# Altium PCB 202101904XB(公开).PcbDoc (part 5 of 6) (continued)
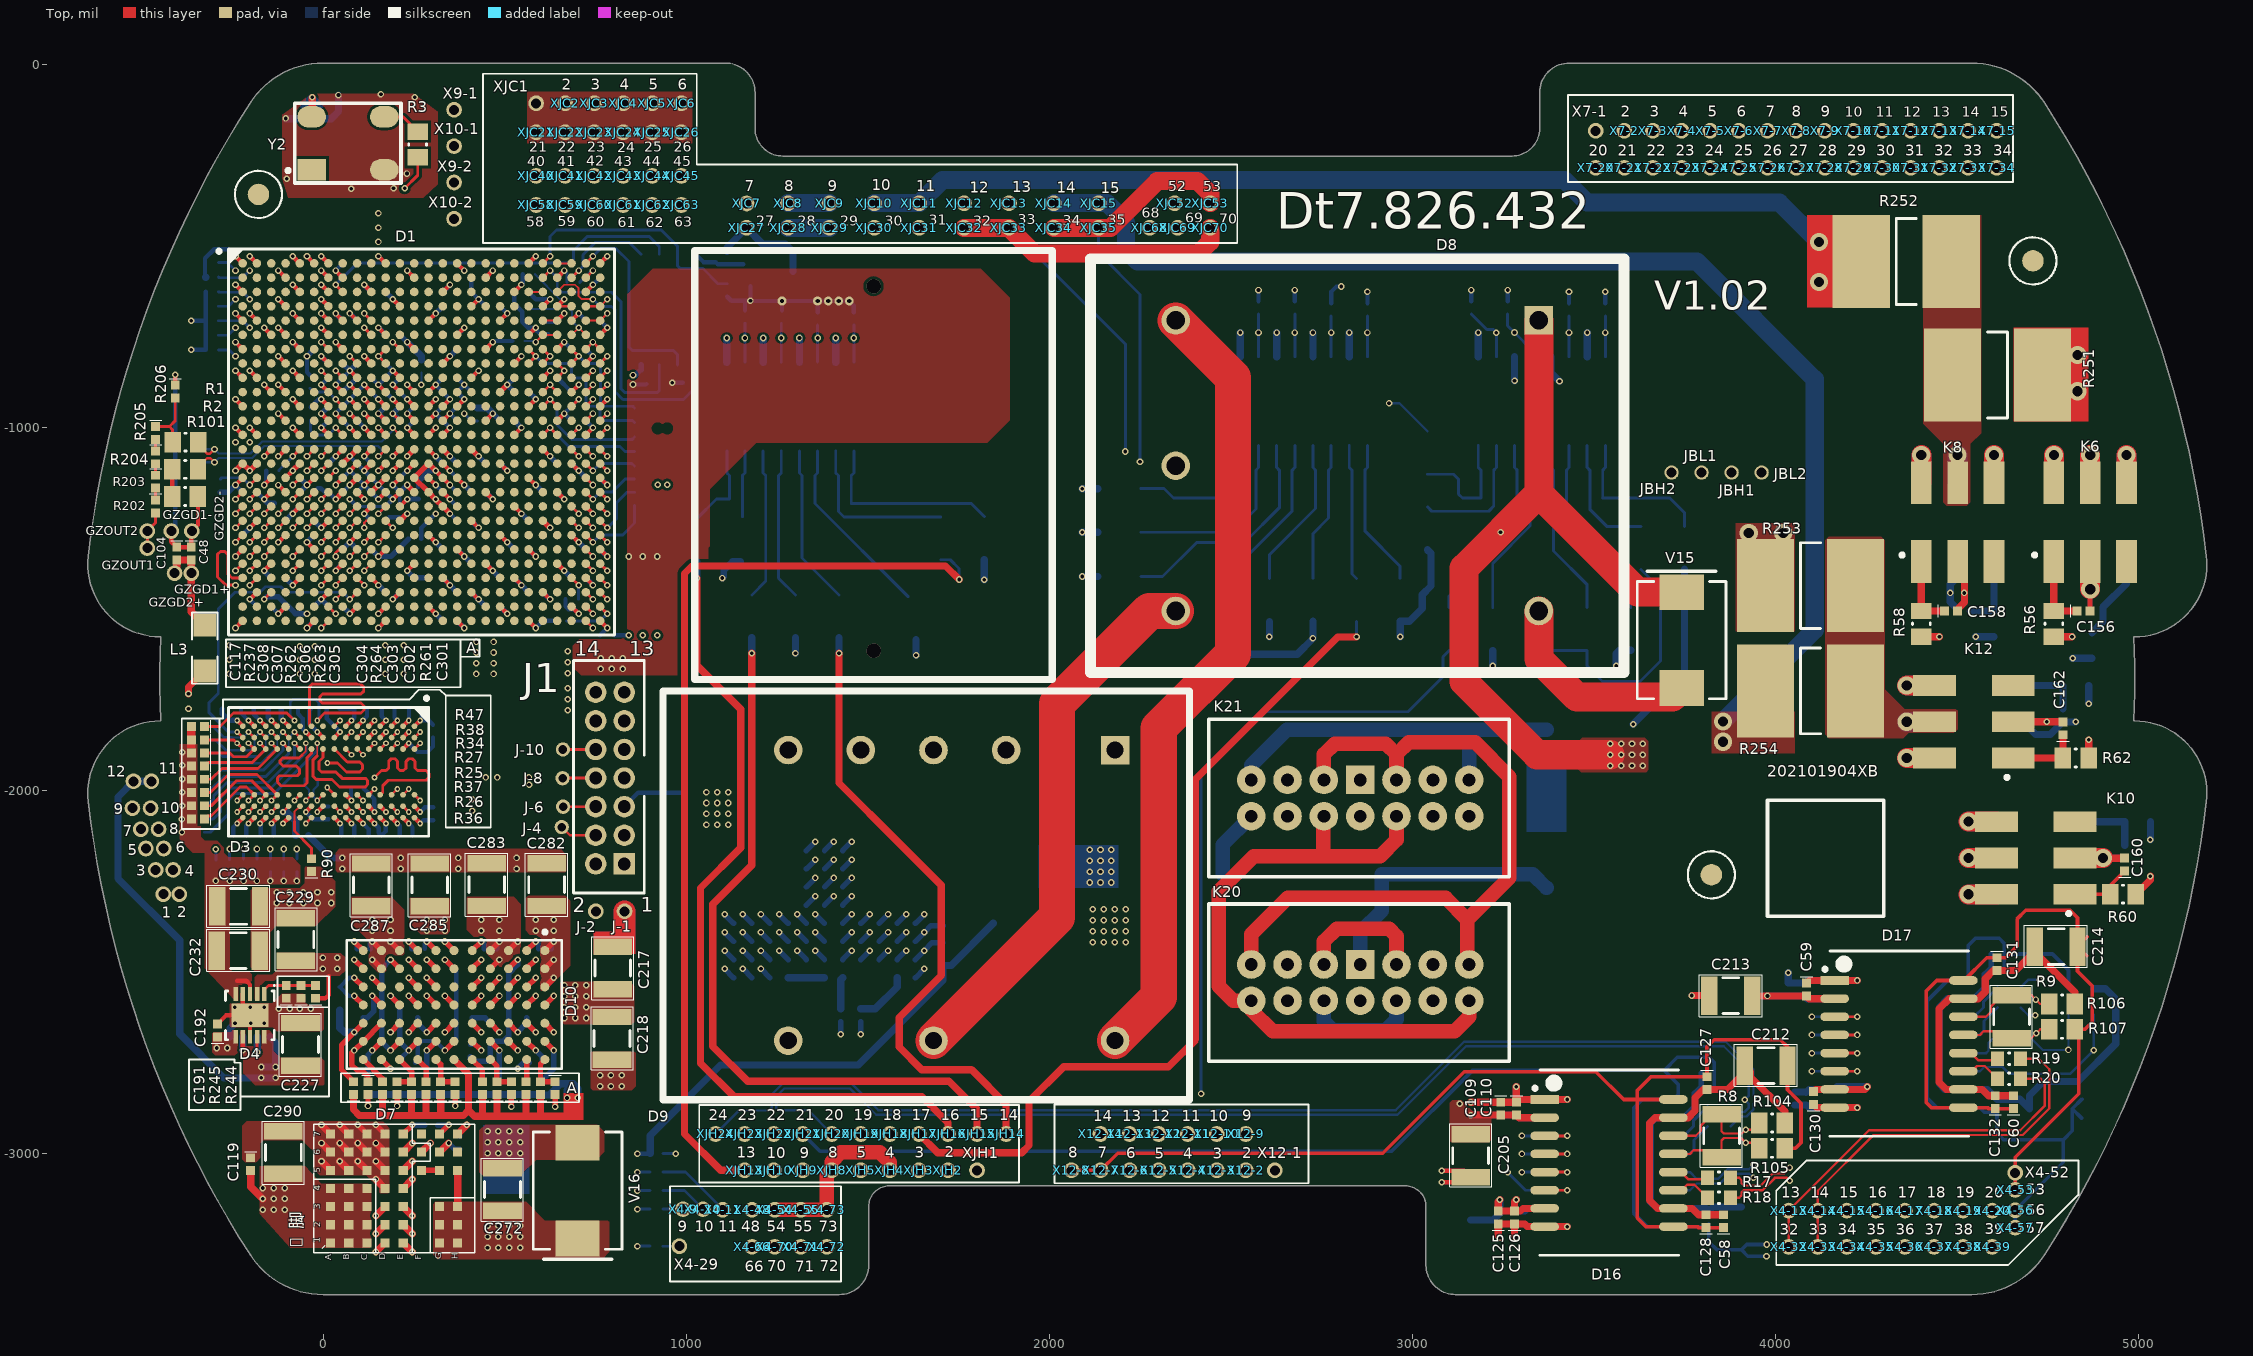
[diagram p0: Top view]
## Nets (pads, with @x,y where several pads share a name; then routed paths per layer and width w, separated by ;. In a path a pad name is that pad's centre, name@x,y a point inside that pad or via, vN(x,y) a via of type N, cw(c..) or ccw(c..) an arc to the next point about the centre after c; other vN are vias at no path point) (continued)
NetC308_2: C308.2 D10.L7 | length 83.1
  Top w15: D10.L7@110.58,-2741.14 163.64,-2794.2 C308.2@163.64,-2802.28
NetD1_B25: D1.B25 R225.1 | length 77.7
  Top w8: D1.B25@723.34,-588.38 v1(743.02,-568.7)
  Bottom w8: R225.1@706.61,-601.17 739.08,-568.7 v1(743.02,-568.7)
NetD1_G7: D1.G7 R240.1 | length 416
  Top w8: v1(-5,-765.55) D1.G7@14.68,-785.23
  sig_05 w6: v1(-201.85,-647.44) -143.67,-705.62 -143.67,-758.42 -115.67,-786.42 -25.87,-786.42 v1(-5,-765.55)
  Bottom w8: R240.1@-287.54,-626.96 -286.08,-628.42 -220.87,-628.42 v1(-201.85,-647.44)
NetD1_J7: D1.J7 R239.1 | length 451.2
  Top w8: v1(-5,-844.29) D1.J7@14.68,-863.97
  sig_05 w6: v1(-241.22,-647.44) -220.67,-667.99 -220.67,-699.42 -214.67,-705.42 -195.67,-705.42 -181.67,-719.42 -181.67,-741.42 -161.17,-761.92 -161.17,-795.92 -132.67,-824.42 -24.87,-824.42 v1(-5,-844.29)
  Bottom w8: R239.1@-287.57,-666.96 -260.74,-666.96 v1(-241.22,-647.44)
NetD1_P5: D1.P5 R201.2 | length 82.9
  Top w8: v1(-83.74,-1080.5) D1.P5@-64.06,-1060.83
  Bottom w8: R201.2@-121.54,-1119.96 -121.54,-1118.3 v1(-83.74,-1080.5)
NetD1_P6: D1.P6 R241.1 | length 518.7
  Top w8: v1(-44.37,-1080.5) D1.P6@-24.69,-1060.83
  sig_05 w6: v1(-241.22,-726.18) -220.67,-746.73 -220.67,-784.42 -143.67,-861.42 -143.67,-913.42 -102.67,-954.42 -102.67,-1022.2 v1(-44.37,-1080.5)
  Bottom w8: R241.1@-287.63,-746.96 -262,-746.96 v1(-241.22,-726.18)
NetD1_P7: D1.P7 R242.1 | length 573.2
  Top w8: v1(-5,-1080.5) D1.P7@14.68,-1060.83
  sig_05 w6: v1(-201.85,-726.18) -201.85,-754.24 -183.67,-772.42 -183.67,-800.42 -118.67,-865.42 -91.67,-865.42 -63.08,-894.01 -63.08,-1022.42 v1(-5,-1080.5)
  Bottom w8: R242.1@-287.6,-706.96 -221.07,-706.96 v1(-201.85,-726.18)
NetD1_T2: D1.T2 R200.2 | length 119
  Top w8: v1(-201.85,-1159.24) D1.T2@-182.17,-1139.57
  Bottom w8: R200.2@-283.13,-1143.23 -279.19,-1139.29 -221.8,-1139.29 v1(-201.85,-1159.24)
NetD1_T5: D1.T5 R238.1 | length 501.3
  Top w8: v1(-83.74,-1159.24) D1.T5@-64.06,-1139.57
  sig_05 w6: v1(-241.22,-804.92) -221.67,-824.47 -221.67,-865.42 -141.67,-945.42 -141.67,-1005.62 -103.87,-1043.42 -103.87,-1126.63 -83.74,-1146.76 v1(-83.74,-1159.24)
  Bottom w8: R238.1@-287.66,-786.96 -259.18,-786.96 v1(-241.22,-804.92)
NetD1_T7: D1.T7 R54.2 | length 61.1
  Top w8: D1.T7@14.68,-1139.57 v1(34.36,-1119.89)
  Bottom w6: R54.2@10.64,-1143 11.24,-1143 v1(34.36,-1119.89)
NetD1_U4: D1.U4 R52.2 | length 59
  Top w12: v1(-123.11,-1159.26) D1.U4@-103.43,-1178.94
  Bottom w8: v1(-123.11,-1159.26) -108.83,-1173.54 R52.2@-108.83,-1184.47
NetD1_U9: D1.U9 R51.2 | length 344
  Top w12: D1.U9@93.42,-1178.94 v1(113.1,-1198.62)
  sig_05 w8: v1(113.1,-1198.62) 132.71,-1179 250.96,-1179 v1(309.95,-1237.98)
  Bottom w12: R51.2@270.36,-1308 270.36,-1277.57 v1(309.95,-1237.98) ; v1@311.64,-1236.3 v1@311.64,-1236
NetD1_V12: D1.V12 R53.2 | length 59.6
  Top w12: D1.V12@211.53,-1218.31 v1(231.22,-1198.61)
  Bottom w15: v1(231.22,-1198.61) 232.11,-1197.72 R53.2@262.64,-1197.72
NetD3_L8: D3.L8 R90.2 | length 170.7
  Top w5: -79.14,-2084.41 -79.14,-2059.37 D3.L8@-63.39,-2043.62
  Top w8: -79.14,-2084.41 -79.14,-2111.95 -32.39,-2158.7 R90.2@-32.39,-2188.45
NetD4_9: D4.9 R243.1 | length 85.4
  Top w8: v1(-181.66,-2721.42) D4.9@-181.65,-2678.74
  Bottom w20: v1(-181.66,-2721.42) R243.1@-181.65,-2678.74
NetD6_1: D6.1 D6.2 D6.5 | length 100
  Bottom w20: D6.1@1280.58,-2516.14 D6.2@1330.58,-2516.14 D6.5@1380.58,-2516.14
NetD6_6: D6.6 R268.2 | length 87.1
  Bottom w20: R268.2@1425.58,-2601.13 1425.58,-2521.14 D6.6@1430.58,-2516.14
NetD6_9: D6.9 R267.1 | length 149.9
  Bottom w20: R267.1@1480.58,-2601.13 1520.58,-2601.14 1580.58,-2541.14 D6.9@1580.58,-2516.14
NetD6_10: D6.10 R269.1 | length 95.1
  Bottom w15: D6.10@1630.58,-2416.14 v1(1655.58,-2391.14) 1674.01,-2372.72 R269.1@1707.64,-2372.72
NetD7_1: D7.1 D7.2 | length 50
  Top w15: D7.2@270.58,-3046.14 D7.1@320.58,-3046.14
NetD7_8: D7.8 R266.1 | length 74.2
  Top w20: D7.8@370.58,-2946.14 v1(395.58,-2921.14)
  Bottom w15: R266.1@376.58,-2952.13 376.58,-2940.14 v1(395.58,-2921.14)
NetD7_10: D7.10 R265.1 | length 65.5
  Top w15: D7.10@320.58,-2946.14 v1(345.58,-2921.14)
  Bottom w15: R265.1@315.62,-2921.67 345.05,-2921.67 v1(345.58,-2921.14)
NetD9_2: D9.2 V1.1 V2.1
NetD10_B6: D10.B6 D10.C4 R234.1 | length 282.8
  Top w15: D10.C4@510.58,-2591.14 v1(535.58,-2566.14) ; D10.B6@560.58,-2691.14 v1(585.58,-2716.14)
  sig_03 w15: v1(535.58,-2566.14) 560.64,-2591.21 560.64,-2691.21 v1(585.58,-2716.14)
  Bottom w15: v1(585.58,-2716.14) 603.64,-2734.21 R234.1@603.64,-2750
NetD10_E6: D10.E6 D10.F4 R235.1 | length 299.4
  Top w15: v1(335.58,-2566.14) D10.F4@360.58,-2591.14 ; D10.E6@410.58,-2691.14 v1(435.58,-2716.14)
  sig_03 w15: v1(335.58,-2566.14) 385.64,-2616.21 385.64,-2666.21 v1(435.58,-2716.14)
  Bottom w12: R235.1@404.9,-2700.3 419.73,-2700.3 v1(435.58,-2716.14)
NetD10_H6: D10.H6 D10.J4 R236.1 | length 282.5
  Top w15: v1(185.58,-2566.14) D10.J4@210.58,-2591.14 ; v1(235.58,-2716.14) D10.H6@260.58,-2691.14
  Bottom w12: R236.1@218.21,-2750 218.21,-2733.51 v1(235.58,-2716.14)
  Bottom w15: v1(185.58,-2566.14) 210.64,-2591.21 210.64,-2691.21 v1(235.58,-2716.14)
NetD10_K5: D10.K5 D10.L6 R237.1 | length 221.3
  Top w15: R237.1@123.64,-2802.28 123.64,-2788 107.64,-2772 94.64,-2772 78.64,-2756 78.64,-2723.08 v1(85.58,-2716.14) D10.L6@110.58,-2691.14 D10.K5@160.58,-2641.14
NetD14_11: D14.11 R14.1 | length 137
  Bottom w8: D14.11@3717.75,-2951.14 3747.12,-2951.14 3772.87,-2925.39 3772.87,-2909.64 R14.1@3812.13,-2870.39
NetD14_12: D14.12 R13.1 | length 141.4
  Bottom w8: D14.12@3717.75,-3001.14 3763.12,-3001.14 3774.87,-2989.39 3774.87,-2962.64 R13.1@3812.13,-2925.39
NetD15_11: D15.11 R16.1 | length 137
  Bottom w8: D15.11@4516.32,-2623.45 4545.69,-2623.45 4571.44,-2597.7 4571.44,-2581.95 R16.1@4610.7,-2542.7
NetD15_12: D15.12 R15.1 | length 141.4
  Bottom w8: D15.12@4516.32,-2673.45 4561.69,-2673.45 4573.44,-2661.7 4573.44,-2634.95 R15.1@4610.7,-2597.7
NetD16_11: D16.11 R18.1 | length 115.5
  Top w6.5: D16.11@3717.75,-3101.14 3740.73,-3101.14 3755.87,-3086 3776.23,-3086 R18.1@3812.13,-3121.88
NetD16_12: D16.12 R17.1 | length 104.4
  Top w6.5: D16.12@3717.75,-3051.14 3739.79,-3051.14 3759.76,-3071.11 3807.89,-3071.11 R17.1@3812.13,-3066.88
NetD17_11: D17.11 R20.1 | length 114.9
  Top w6.5: D17.11@4516.32,-2773.45 4539.3,-2773.45 4553.75,-2759 4575.49,-2759 R20.1@4610.7,-2794.19
NetD17_12: D17.12 R19.1 | length 104.4
  Top w6.5: D17.12@4516.32,-2723.45 4538.36,-2723.45 4558.33,-2743.42 4606.46,-2743.42 R19.1@4610.7,-2739.19
NetGZOUT1_1: GZOUT1.1 GZOUT2.1 R202.2 | length 106
  Top w8: GZOUT2.1@-484,-1333 GZOUT1.1@-484,-1286 -461.28,-1263.28 R202.2@-461.28,-1236.43
NetK5_5: K5.5 K6.5 K7.4 K7.6 K8.4 K8.6 | length 460.4
  Top w55: K8.6@4400.58,-1152.87 v3(4400.58,-1076.14) ; K8.4@4600.58,-1152.87 v3(4600.58,-1076.14) ; K6.5@4865.58,-1152.87 v3(4865.58,-1076.14)
  Bottom w55: K7.4@4400.58,-1152.87 v3(4400.58,-1076.14) ; K7.6@4600.58,-1152.87 v3(4600.58,-1076.14) ; K5.5@4865.58,-1152.87 v3(4865.58,-1076.14)
NetK9_5: K9.5 K10.5 K11.4 K11.6 K12.4 K12.6 | length 460.4
  Top w55: v3(4360.58,-1911.14) K12.6@4437.32,-1911.14 ; v3(4360.58,-1711.14) K12.4@4437.32,-1711.14 ; v3(4530.58,-2186.14) K10.5@4607.32,-2186.14
  Bottom w55: v3(4360.58,-1911.14) K11.4@4437.32,-1911.14 ; v3(4360.58,-1711.14) K11.6@4437.32,-1711.14 ; v3(4530.58,-2186.14) K9.5@4607.32,-2186.14
NetK20_11: K20.11 K20.21 K21.10 K21.20 | length 2039.7
  Top w40: K20.21@2555.58,-2479.37 2555.58,-2396.14 2655.58,-2296.14 3090.58,-2296.14 3150.58,-2356.14 ; K21.10@2755.58,-1971.14 2755.58,-1901.14 2785.58,-1871.14 2925.58,-1871.14 2955.58,-1901.14 ; K21.20@2955.58,-1971.14 2955.58,-1901.14 ; K20.11@3155.58,-2479.37 3150.58,-2474.37 3150.58,-2356.14 ; 2955.58,-1901.14 2988.72,-1868 3172,-1868 3266,-1962 3266,-2240.72 3150.58,-2356.14
NetK20_31: K20.31 K20.41 K21.30 K21.40 | length 1802.7
  Top w40: K21.40@2755.58,-2071.14 2754.33,-2072.39 2754.33,-2181.14 ; K21.30@2955.58,-2071.14 2955.58,-2136.14 2910.58,-2181.14 2754.33,-2181.14 ; K20.41@3155.58,-2579.37 3155.58,-2623.42 3115.58,-2663.42 2614.34,-2663.42 2555.57,-2604.65 2555.57,-2579.37 2505.58,-2579.37 2465.58,-2539.37 2465.58,-2277.67 2562.12,-2181.14 2754.33,-2181.14
NetR1_1: R1.1 R205.1 R206.2 | length 169.6
  Top w8: R205.1@-461,-998.28 -423.14,-998.28 ; R1.1@-414.42,-1041.14 -414.42,-1007 -423.14,-998.28 ; R206.2@-407,-919.72 -407,-982.14 -423.14,-998.28
NetR2_1: R2.1 R101.1 | length 74.7
  Top w12: R101.1@-415.29,-1190.86 R2.1@-415.29,-1116.14
NetR3_1: R3.1 Y2.3 | length 108.8
  Top w8: Y2.3@168.58,-145.47 219.91,-145.47 R3.1@260.58,-186.14
NetR5_1: R5.1 V5.1
NetR6_1: R6.1 V6.1
NetR138_2: R138.2 XJH3.1 | length 723.6
  sig_03 w8: v1(971.02,-3000.17) 1594.62,-3000.17 XJH3.1@1640.58,-3046.14
  Bottom w8: R138.2@936.02,-3000.17 v1(971.02,-3000.17)
NetR139_2: R139.2 X4-9.1 | length 55
  Bottom w8: R139.2@936.02,-3153.08 X4-9.1@991,-3153.08
NetR140_2: R140.2 X4-10.1 | length 131.1
  Bottom w8: R140.2@936.02,-3102.11 995.03,-3102.11 X4-10.1@1046,-3153.08
NetR141_2: R141.2 X4-29.1 | length 45
  Bottom w8: R141.2@936.02,-3255.14 X4-29.1@981,-3255.14
NetR142_2: R142.2 X4-11.1 | length 206.2
  Bottom w8: R142.2@936.02,-3051.14 998.06,-3051.14 X4-11.1@1100,-3153.08
NetR202_1: R202.1 R203.2 | length 33
  Top w8: R202.1@-461.28,-1201 R203.2@-461.28,-1168
NetR203_1: R203.1 R204.2 | length 31.6
  Top w8: R203.1@-461,-1132.28 R204.2@-461,-1100.72
NetR204_1: R204.1 R205.2 | length 31.6
  Top w8: R204.1@-461,-1065.28 R205.2@-461,-1033.72
PZ-H1: D1.D23 D1.D24 R221.1 | length 176.5
  Top w6: D1.D23@644.6,-667.12 D1.D24@683.97,-667.12
  Top w12: D1.D23@644.6,-667.12 v1(664.28,-647.44)
  Bottom w6: R221.1@583.42,-578.9 651.96,-647.44 v1(664.28,-647.44)
PZ-H2: D1.E22 D1.E23 R224.1 | length 121.5
  Top w6: D1.E22@605.23,-706.49 D1.E23@644.6,-706.49
  Top w12: D1.E23@644.6,-706.49 v1(664.28,-686.81)
  Bottom w12: R224.1@619.68,-710.34 640.76,-710.34 v1(664.28,-686.81)
PZ-L1: D1.A23 D1.A24 | length 39.4
  Top w6: D1.A23@644.6,-549.01 D1.A24@683.97,-549.01
PZ-L2: D1.C21 D1.C22 | length 39.4
  Top w6: D1.C21@565.86,-627.75 D1.C22@605.23,-627.75
SF: R182.1 R183.1 R184.1 XJH1.1 | length 3464.3
  sig_03 w8: XJH1.1@1800.58,-3046.14 1883.46,-3046.14 2094.6,-2835 v1(2417.33,-2835)
  Bottom w8: v1(2417.33,-2835) 2417.33,-1945.42 2579.33,-1783.42 2987.33,-1783.42 3083.33,-1687.42 3083.33,-1632.33 R184.1@3100.58,-1615.08 3123.98,-1615.08 3145.33,-1636.43 3145.33,-1675.42 3153.33,-1683.42 3293.33,-1683.42 3361.67,-1615.08 R183.1@3480.58,-1615.08 3480.58,-1657.42 3523.15,-1700 3625.75,-1700 3682.33,-1643.42 3682.33,-1445.83 R182.1@3628.58,-1392.08
SF1-F: D1.P24 R154.1 V13.16 | length 3108.3
  Top w8: D1.P24@683.97,-1060.83 v1(703.65,-1080.5)
  sig_03 w6: v1(703.65,-1080.5) 743.73,-1040.42 3069.33,-1040.42 3262.7,-847.05 3422.95,-847.05 v1(3530.58,-739.42)
  Bottom w8: V13.16@3530.58,-806.02 v1(3530.58,-739.42) R154.1@3530.58,-693.74
SF2-F: D1.N24 R155.1 V13.14 | length 2994.5
  Top w8: D1.N24@683.97,-1021.45 v1(703.65,-1001.77)
  sig_03 w6: v1(703.65,-1001.77) 726.3,-1024.42 3048.33,-1024.42 3263.2,-809.55 3360.45,-809.55 v1(3430.58,-739.42)
  Bottom w8: V13.14@3430.58,-806.02 v1(3430.58,-739.42) R155.1@3430.58,-693.74
SF3-F: D1.N26 R156.1 V13.12 | length 2780.5
  Top w8: D1.N26@762.71,-1021.45 v1(782.39,-1001.77)
  sig_03 w6: v1(782.39,-1001.77) 3017.98,-1001.77 v1(3280.45,-739.3)
  Bottom w8: R156.1@3261.58,-688.74 3261.58,-720.43 v1(3280.45,-739.3) 3330.58,-789.43 V13.12@3330.58,-806.02
SGND: C49.2 C50.2 C51.2 C52.2 C117.1 C302.1 C304.1 C306.1 C308.1 D10.F7 L7.2 R261.1 R262.1 R263.1 R264.1 | length 1921.6
  Top w20: C117.1@83.64,-2837.72 83.64,-2879 99.64,-2895 386.64,-2895 400.64,-2881 ; 163.64,-2893 C308.1@163.64,-2837.72 ; 243.64,-2894 R262.1@243.64,-2837.72 ; 283.64,-2892 C306.1@283.64,-2837.72 ; 323.64,-2895 R263.1@323.64,-2837.72 ; D10.F7@360.58,-2741.14 400.64,-2781.2 400.64,-2881 ; 438.64,-2891 C304.1@438.64,-2837.72 ; 478.64,-2895 R264.1@478.64,-2837.72 ; 558.64,-2896 C302.1@558.64,-2837.72 ; 598.64,-2894 R261.1@598.64,-2837.72 ; 671.64,-2897 416.64,-2897 400.64,-2881
  Bottom w20: C52.2@123.64,-2837.72 C50.2@478.64,-2837.72 597.66,-2837.72 C49.2@598.64,-2838.7 621.94,-2838.7 652.65,-2807.99 L7.2@688.64,-2807.99 ; v1(671.64,-2847) 671.64,-2824.99 L7.2@688.64,-2807.99 ; v1(701.64,-2847) 701.64,-2820.99 L7.2@688.64,-2807.99
SPI-CS: D1.C23 D2.1 R231.2 | length 739.4
  Top w5: D1.C23@644.6,-627.75 664.35,-608 693.64,-608 703.64,-618 703.64,-639 712.08,-647.43 v1(743.03,-647.43)
  Bottom w8: v1(743.03,-647.43) 763.17,-667.57 794.48,-667.57 803.33,-676.42 803.33,-901.42 825.33,-923.42 992.33,-923.42 1025.58,-890.17 D2.1@1025.58,-828.51
SPI-DQ0/MODE3: D1.B24 D2.5 | length 263.7
  Top w8: D1.B24@683.97,-588.38 v1(703.65,-568.7)
  Bottom w8: v1(703.65,-568.7) 715.33,-557.02 715.33,-525.42 749.33,-491.42 843.22,-491.42 D2.5@875.58,-523.78
SPI-DQ1/MODE1: D1.A25 D2.2 | length 556.2
  Top w8: D1.A25@723.34,-549.01 v1(743.02,-529.33)
  Bottom w8: v1(743.02,-529.33) 763.93,-508.42 806.33,-508.42 842,-544.1 842,-780.1 850.33,-788.42 963.33,-788.42 975.58,-800.67 D2.2@975.58,-828.51
SPI-DQ2/MODE2: D1.B22 D2.3 R232.2 | length 697.6
  Top w8: D1.B22@605.23,-588.38 v1(624.91,-568.7)
  Bottom w8: v1(624.91,-568.7) 644.64,-588.44 644.64,-616.74 656.33,-628.42 794.33,-628.42 820.33,-654.42 820.33,-894.42 830.33,-904.42 920.33,-904.42 925.58,-899.17 D2.3@925.58,-828.51
SPI-DQ3/MODE0: D1.A22 D2.7 R233.1 | length 669.9
  Top w8: D1.A22@605.23,-549.01 v1(624.91,-529.33)
  Bottom w8: v1(624.91,-529.33) 624.91,-474.85 642.34,-457.42 931.33,-457.42 975.58,-501.67 D2.7@975.58,-523.78 975.58,-555.42 983.58,-563.42 1045.86,-563.42 1087.57,-605.13 R233.1@1112.58,-605.13
SPI-SCK/MODE4: D1.C8 D2.6 | length 1022.4
  Top w8: v1(34.37,-608.07) D1.C8@54.05,-627.75
  Bottom w8: v1(34.37,-608.07) 94.02,-548.42 680.33,-548.42 689.33,-539.42 689.33,-513.42 728.33,-474.42 897.33,-474.42 925.58,-502.67 D2.6@925.58,-523.78
SVIN5: C117.2 D10.B5 D10.E5 D10.H5 D10.L5 R12.1 | length 961.1
  Top w15: C117.2@83.64,-2802.28 50.64,-2769.28 50.64,-2701.08 v1(85.58,-2666.14) D10.L5@110.58,-2641.14 ; v1(235.58,-2666.14) D10.H5@260.58,-2641.14 ; D10.E5@410.58,-2641.14 v1(435.58,-2666.14) ; D10.B5@560.58,-2641.14 v1(585.58,-2666.14)
  sig_08 w15: v1(85.58,-2666.14) 110.43,-2691 210.72,-2691 v1(235.58,-2666.14) 260.43,-2691 410.72,-2691 v1(435.58,-2666.14) 460.43,-2691 560.72,-2691 v1(585.58,-2666.14)
  Bottom w20: R12.1@46.18,-2604.54 46.18,-2653.53 58.79,-2666.14 v1(85.58,-2666.14)
SYSCLK1_N: D1.AB10 | length 27.8
  Top w6.5: v1(113.11,-1395.46) D1.AB10@132.79,-1375.79
SYSCLK1_P: D1.AA10 | length 27.8
  Top w6.5: v1(113.11,-1356.09) D1.AA10@132.79,-1336.42
TCK: D1.L8 J1.6 J-6.1 R228.2 | length 2071.7
  Top w6: J-6.1@660.88,-2044.88 J1.6@750.58,-2044.88
  Top w8: v1(34.37,-923.03) D1.L8@54.05,-942.71
  sig_05 w6: v1(34.37,-923.03) 52.98,-904.42 79.33,-904.42 92.33,-891.42 92.33,-871.42 99.33,-864.42 120.33,-864.42 132.33,-852.42 132.33,-831.42 139.33,-824.42 440.33,-824.42 464.33,-848.42 464.33,-884.42 497.33,-917.42 514.33,-917.42 556.33,-959.42 594.33,-959.42 616.33,-981.42 649.33,-981.42 684.33,-1016.42 684.33,-1594.42 707.33,-1617.42 707.33,-2001.63 J1.6@750.58,-2044.88
  Bottom w8: R228.2@-35.92,-892.67 -25.24,-903.35 14.69,-903.35 v1(34.37,-923.03)
TDI: D1.R6 J1.10 J-10.1 R230.2 | length 1930.9
  Top w8: v1(-44.37,-1119.87) D1.R6@-24.69,-1100.2 ; J-10.1@660.43,-1887.4 J1.10@750.58,-1887.4
  sig_05 w6: v1(-44.37,-1119.87) -24.12,-1099.62 3.13,-1099.62 16.33,-1086.42 16.33,-1035.42 27.33,-1024.42 84.33,-1024.42 92.33,-1016.42 92.33,-953.42 104.33,-941.42 122.33,-941.42 132.33,-931.42 132.33,-910.42 140.33,-902.42 251.83,-902.42 v1(270.59,-883.66) 289.35,-902.42 405.33,-902.42 422.33,-919.42 422.33,-964.42 448.33,-990.42 472.33,-990.42 510.33,-1028.42 578.33,-1028.42 605.33,-1055.42 605.33,-1818.42 660.43,-1873.52 J-10.1@660.43,-1887.4
  Bottom w6: v1(270.59,-883.66) 270.64,-883.61 R230.2@270.64,-849.72
TDO: D1.R7 J1.8 J-8.1 R229.2 | length 1859.2
  Top w8: v1(-5,-1119.87) D1.R7@14.68,-1100.2 ; J-8.1@659.33,-1966.42 659.61,-1966.14 J1.8@750.58,-1966.14
  sig_05 w6: v1(-5,-1119.87) 6.78,-1119.87 26.23,-1100.42 48.33,-1100.42 54.33,-1094.42 54.33,-1049.42 65.33,-1038.42 109.33,-1038.42 133.33,-1014.42 133.33,-952.42 143.33,-942.42 368.71,-942.42 v1(388.69,-962.4) 431.71,-1005.42 459.33,-1005.42 504.33,-1050.42 547.33,-1050.42 564.33,-1067.42 564.33,-1818.92 621,-1875.6 621,-1928.1 J-8.1@659.33,-1966.42
  Bottom w8: v1(388.69,-962.4) 409,-982.72 R229.2@424.64,-982.72
TF422-A: D15.14 R7.1 R102.1 X4-19.1 X4-38.1 | length 1274.4
  sig_03 w6.5: X4-38.1@4515.58,-3257.14 X4-19.1@4515.58,-3157.14 4515.58,-2963.42 4788,-2691 4851.51,-2691 v1(4875.75,-2715.25)
  Bottom w6.5: D15.14@4516.32,-2773.45 4562.04,-2773.45 4573.79,-2761.7 4624.39,-2761.7 R7.1@4643.44,-2780.76 4810.24,-2780.76 v1(4875.75,-2715.25) R102.1@4875.75,-2616.99
TF422-B: D15.13 R7.2 R103.1 X4-20.1 X4-39.1 | length 1075.9
  sig_03 w6.5: X4-39.1@4595.58,-3257.14 X4-20.1@4595.58,-3157.14 4595.58,-2924.92 v1(4805.75,-2714.75)
  Bottom w6.5: D15.13@4516.32,-2723.45 4578.94,-2723.45 4585.44,-2716.95 4585.44,-2695.7 4618.5,-2662.64 R7.2@4643.44,-2662.64 4682.64,-2662.64 4734.75,-2714.75 v1(4805.75,-2714.75) R103.1@4805.75,-2616.99
TF422-DE: D1.Y25 D15.5 R214.1 | length 4732.5
  Top w8: D1.Y25@723.34,-1297.05 v1(743.02,-1316.72)
  sig_03 w6: v1(743.02,-1316.72) 762.72,-1336.42 2020.42,-1336.42 2048,-1364 3709,-1364 4078,-1733 4078,-2651.92 v1(4099.54,-2673.45)
  Bottom w8: v1(743.02,-1316.72) 762.32,-1297.42 824.33,-1297.42 857.61,-1264.14 R214.1@857.62,-1215.11 ; v1(4099.54,-2673.45) D15.5@4161.99,-2673.45
TF422-R\E\: D1.AA25 D15.4 | length 4576.4
  Top w8: D1.AA25@723.34,-1336.42 v1(743.02,-1356.09)
  sig_03 w6: v1(743.02,-1356.09) 762.35,-1375.42 963.58,-1375.42 988,-1351 1985,-1351 2013,-1379 3682,-1379 4060,-1757 4060,-2683.92 v1(4099.54,-2723.45)
  Bottom w8: v1(4099.54,-2723.45) D15.4@4161.99,-2723.45
TF422-RXD: D1.AB26 D15.3 | length 4529.7
  Top w8: D1.AB26@762.71,-1375.79 v1(782.39,-1395.46)
  sig_03 w6: v1(782.39,-1395.46) 965.54,-1395.46 997,-1364 1967,-1364 2041,-1438 3661,-1438 4011,-1788 4011,-2684.92 v1(4099.54,-2773.45)
  Bottom w8: v1(4099.54,-2773.45) D15.3@4161.99,-2773.45
TF422-TXD: D1.Y26 D15.6 | length 4520.5
  Top w8: D1.Y26@762.71,-1297.05 v1(782.39,-1316.72)
  sig_03 w6: v1(782.39,-1316.72) 2025.72,-1316.72 2056,-1347 3742,-1347 4140,-1745 4140,-2582.99 v1(4099.54,-2623.45)
  Bottom w8: v1(4099.54,-2623.45) D15.6@4161.99,-2623.45
TF422-Y: R16.2 X4-17.1 X4-36.1 | length 1029.1
  sig_03 w6.5: X4-36.1@4355.58,-3257.14 X4-17.1@4355.58,-3157.14 4355.58,-3058.42 4781,-2633 4781,-2557 4745,-2521 v1(4727,-2521)
  Bottom w6.5: R16.2@4688.94,-2557.95 R16.2@4673.69,-2542.7 4695.39,-2521 v1(4727,-2521)
TF422-Z: R15.2 X4-18.1 X4-37.1 | length 1145.9
  sig_03 w6.5: X4-37.1@4435.58,-3257.14 X4-18.1@4435.58,-3157.14 4435.58,-3003.42 4795,-2644 4795,-2550 4746,-2501 4717,-2501 4708,-2510 4708,-2532 4736,-2560 4736,-2597 v1(4714,-2619)
  Bottom w6.5: R15.2@4673.69,-2597.7 4694.99,-2619 v1(4714,-2619)
TMS: D1.N8 J1.4 J-4.1 R227.2 | length 2155.2
  Top w6: J-4.1@657,-2101 679.62,-2123.62 J1.4@750.58,-2123.62
  Top w8: v1(34.37,-1001.77) D1.N8@54.05,-1021.45
  sig_05 w6: v1(34.37,-1001.77) 53.33,-982.81 53.33,-949.42 60.33,-942.42 81.33,-942.42 93.33,-930.42 93.33,-909.42 99.33,-903.42 120.33,-903.42 132.33,-891.42 132.33,-875.42 143.33,-864.42 407.33,-864.42 479.33,-936.42 510.33,-936.42 552.83,-978.92 591.83,-978.92 605.33,-992.42 605.33,-1017.42 643.33,-1055.42 643.33,-1824.42 693.33,-1874.42 693.33,-2066.37 J1.4@750.58,-2123.62
  Bottom w8: R227.2@-34.73,-980.67 -34.73,-1009.36 -22.67,-1021.42 14.72,-1021.42 v1(34.37,-1001.77)
TY422-A: D16.14 R8.1 R104.1 X12-5.1 X12-6.1 | length 2672.2
  Top w6.5: D16.14@3717.75,-2951.14 3779.73,-2951.14 3793.76,-2937.11 3793.76,-2923.11 3824.79,-2892.08 R8.1@3850.59,-2892.08 3850.59,-2938.39 3857.09,-2944.89 3906.03,-2944.89 v1(3916.87,-2934.05) 3935.88,-2934.05 R104.1@3954.2,-2915.74
  sig_03 w6.5: X12-5.1@2300.58,-3046.14 X12-6.1@2220.58,-3046.14 2220.58,-3008.89 2213.11,-3001.42 2101.65,-3001.42 2087.83,-2987.6 2087.83,-2909.92 2101.92,-2895.83 3064.74,-2895.83 3246.33,-3077.42 3351.83,-3077.42 3395.33,-3120.92 3638.83,-3120.92 3813.86,-2945.89 3905.03,-2945.89 v1(3916.87,-2934.05)
TY422-B: D16.13 R8.2 R105.1 X12-13.1 X12-14.1 | length 2609
  Top w6.5: D16.13@3717.75,-3001.14 3763.47,-3001.14 3773.5,-2991.11 3831.51,-2991.11 R8.2@3850.59,-3010.2 3850.59,-2963.89 3857.09,-2957.39 3904.03,-2957.39 v1(3916.87,-2970.23) 3938.68,-2970.23 R105.1@3954.2,-2985.74
  sig_03 w6.5: X12-14.1@2140.58,-2946.14 X12-13.1@2220.58,-2946.14 2220.58,-2983.39 2215.05,-2988.92 2106.83,-2988.92 2100.33,-2982.42 2100.33,-2915.1 2107.1,-2908.33 3059.56,-2908.33 3241.15,-3089.92 3346.65,-3089.92 3390.15,-3133.42 3644.01,-3133.42 3819.04,-2958.39 3905.03,-2958.39 v1(3916.87,-2970.23)
TY422-DE: D1.AC24 D16.5 R217.2 | length 4258.2
  Top w8: D1.AC24@683.97,-1415.16 v1(703.65,-1434.83) ; D16.5@3363.42,-3051.14 v1(3425.87,-3051.14)
  sig_03 w6: v1(703.65,-1434.83) 723.24,-1454.42 1948.42,-1454.42 2111,-1617 3250,-1617 3391,-1758 3391,-3016.28 v1(3425.87,-3051.14)
  Bottom w8: R217.2@703.05,-1473.74 703.05,-1435.43 v1(703.65,-1434.83)
TY422-R\E\: D1.AC26 D16.4 | length 4141.1
  Top w8: D1.AC26@762.71,-1415.16 v1(782.39,-1434.83) ; D16.4@3363.42,-3001.14 v1(3425.87,-3001.14)
  sig_03 w6: v1(782.39,-1434.83) 970.17,-1434.83 1013,-1392 1919,-1392 2128,-1601 3260,-1601 3404,-1745 3404,-2979.28 v1(3425.87,-3001.14)
TY422-RXD: D1.AB25 D16.3 | length 4173.8
  Top w8: D1.AB25@723.34,-1375.79 v1(743.02,-1395.46) ; D16.3@3363.42,-2951.14 v1(3425.87,-2951.14)
  sig_03 w6: v1(743.02,-1395.46) 762.98,-1415.42 970.58,-1415.42 1008,-1378 1936,-1378 2011,-1453 3136,-1453 3447,-1764 3447,-2930.01 v1(3425.87,-2951.14)
TY422-TXD: D1.AD26 D16.6 | length 4157.6
  Top w8: D1.AD26@762.71,-1454.53 v1(782.39,-1474.2) ; D16.6@3363.42,-3101.14 v1(3425.87,-3101.14)
  sig_03 w6: v1(782.39,-1474.2) 1923.2,-1474.2 2082,-1633 3238,-1633 3376,-1771 3376,-3051.28 v1(3425.87,-3101.14)
TY422-Y: R18.2 X12-3.1 X12-4.1 | length 2130.2
  Top w6.5: R18.2@3875.12,-3121.88 3899.18,-3121.88 3905.68,-3115.38 3905.68,-3107.13 3912.18,-3100.63 3963.8,-3100.63 3997.51,-3066.92 4030.83,-3066.92 v1(4038.67,-3074.76)
  sig_03 w6.5: X12-3.1@2460.58,-3046.14 X12-4.1@2380.58,-3046.14 2380.58,-3009.92 2387.08,-3003.42 3069.33,-3003.42 3232.83,-3166.92 3720.83,-3166.92 3876.83,-3010.92 3960.15,-3010.92 4012.15,-3062.92 4026.83,-3062.92 v1(4038.67,-3074.76)
TY422-Z: R17.2 X12-11.1 X12-12.1 | length 2135
  Top w6.5: R17.2@3875.12,-3066.88 3899.18,-3066.88 3905.68,-3073.38 3905.68,-3081.63 3912.18,-3088.13 3958.62,-3088.13 3992.33,-3054.42 4022.83,-3054.42 v1(4038.67,-3038.58)
  sig_03 w6.5: X12-12.1@2300.58,-2946.14 X12-11.1@2380.58,-2946.14 2380.58,-2983.39 2388.11,-2990.92 3074.51,-2990.92 3238.01,-3154.42 3715.65,-3154.42 3871.65,-2998.42 3965.33,-2998.42 4017.33,-3050.42 4026.83,-3050.42 v1(4038.67,-3038.58)
VCCADC: C46.2 C102.1 C203.1 D1.M12 L2.1 | length 1516.3
  Top w8: v1(191.85,-962.4) D1.M12@211.53,-982.08
  sig_05 w15: 261.33,-978.42 261.33,-1007.42 281.33,-1027.42 436.48,-1027.42 456.48,-1047.42 456.48,-1091.27 442.33,-1105.42 442.33,-1222.42 463.83,-1243.92 463.83,-1332.92 498.33,-1367.42 498.33,-1440.42 534.33,-1476.42 534.33,-1829.66 597,-1892.34 597,-1994 580,-2011 525.9,-2011 v1(479.32,-1964.39) v1(447.81,-1964.4)
  Bottom w15: C102.1@211.53,-982.08 v1(191.85,-962.4) C46.2@211.53,-942.71
  other v1: 479.31,-1964.4
YL422-DE: D1.U25 R212.1 | length 165.4
  Top w8: D1.U25@723.34,-1178.94 v1(743.02,-1198.61)
  Bottom w8: v1(743.02,-1198.61) 763.21,-1178.42 796.33,-1178.42 831.55,-1143.2 R212.1@857.62,-1143.2
YL422-R\E\: D1.U26 | length 27.8
  Top w8: D1.U26@762.71,-1178.94 v1(782.39,-1198.61)
YL422-RXD: D1.V24 | length 27.8
  Top w8: D1.V24@683.97,-1218.31 v1(703.65,-1237.98)
YL422-TXD: D1.T25 | length 27.8
  Top w8: D1.T25@723.34,-1139.57 v1(743.02,-1159.24)